# Allegro board GPS_INTERFACE_BOARDv34_test.brd
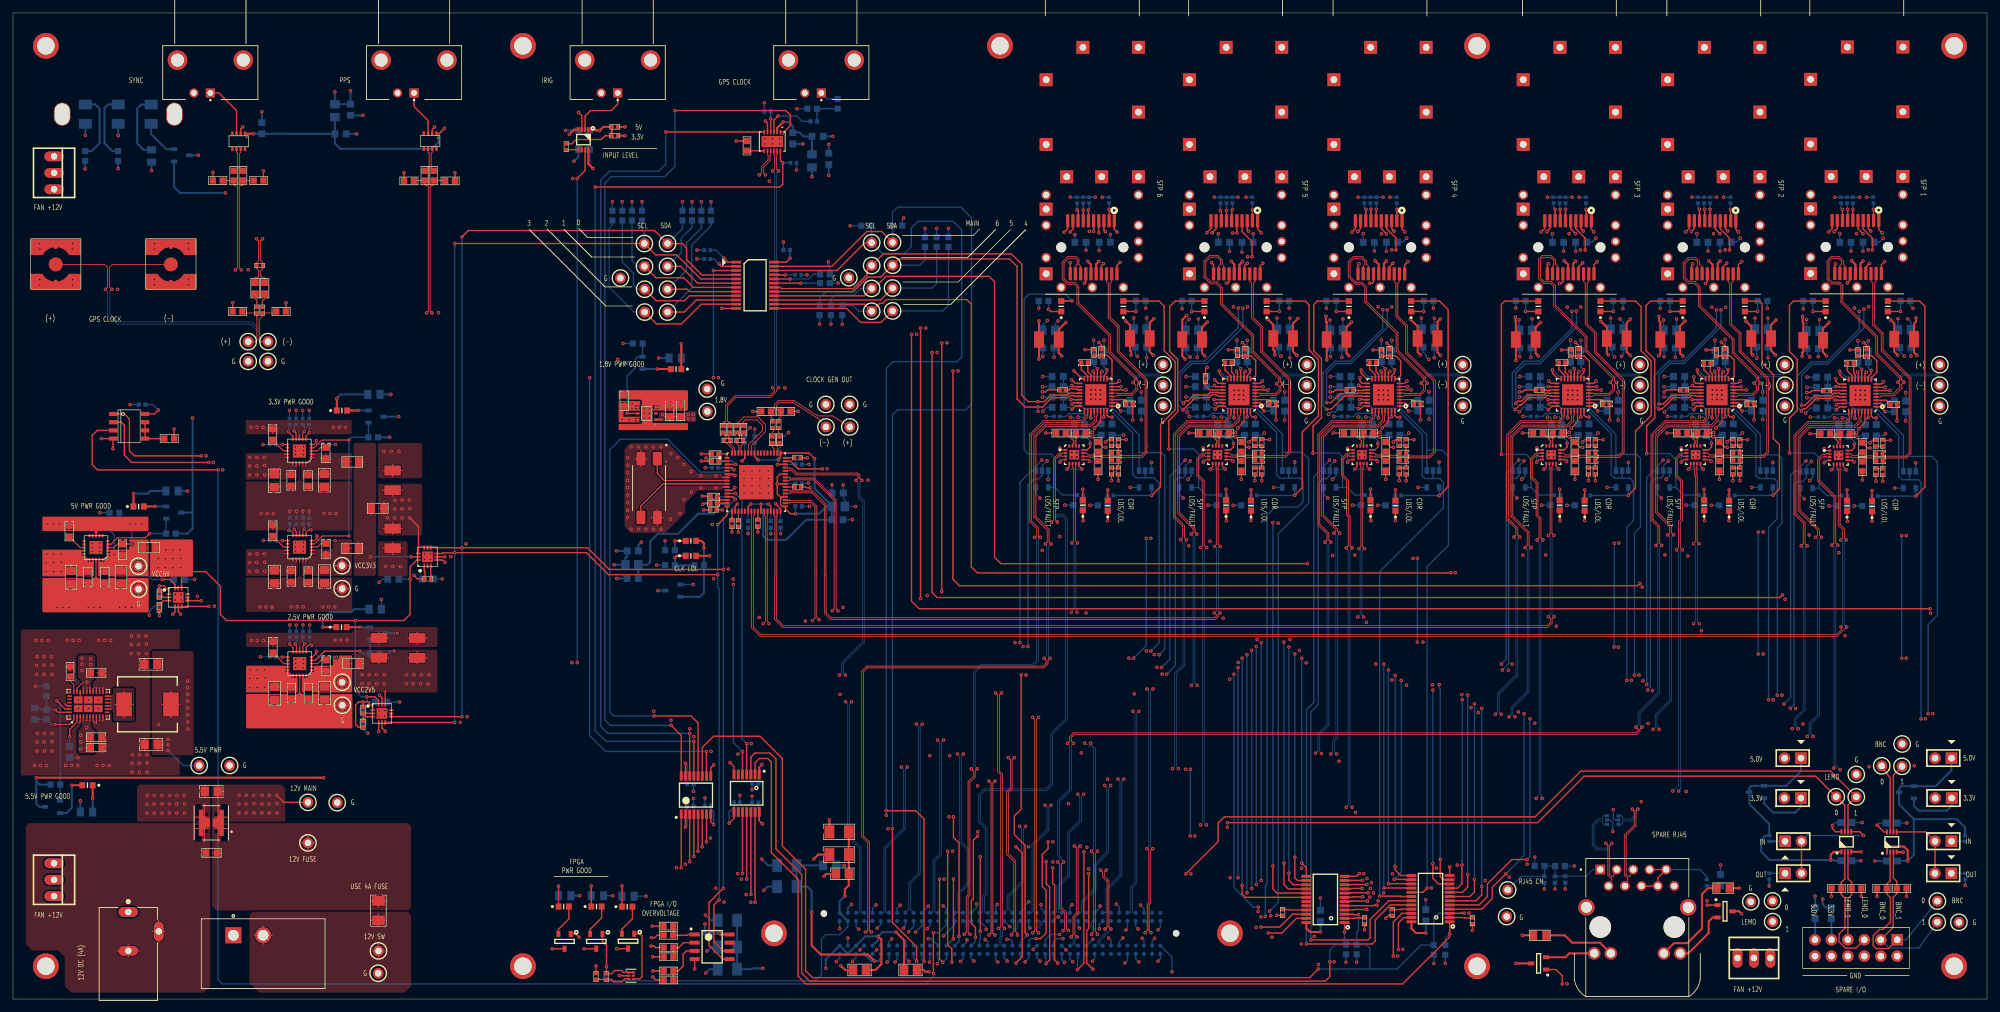
[diagram p0: board, top side]
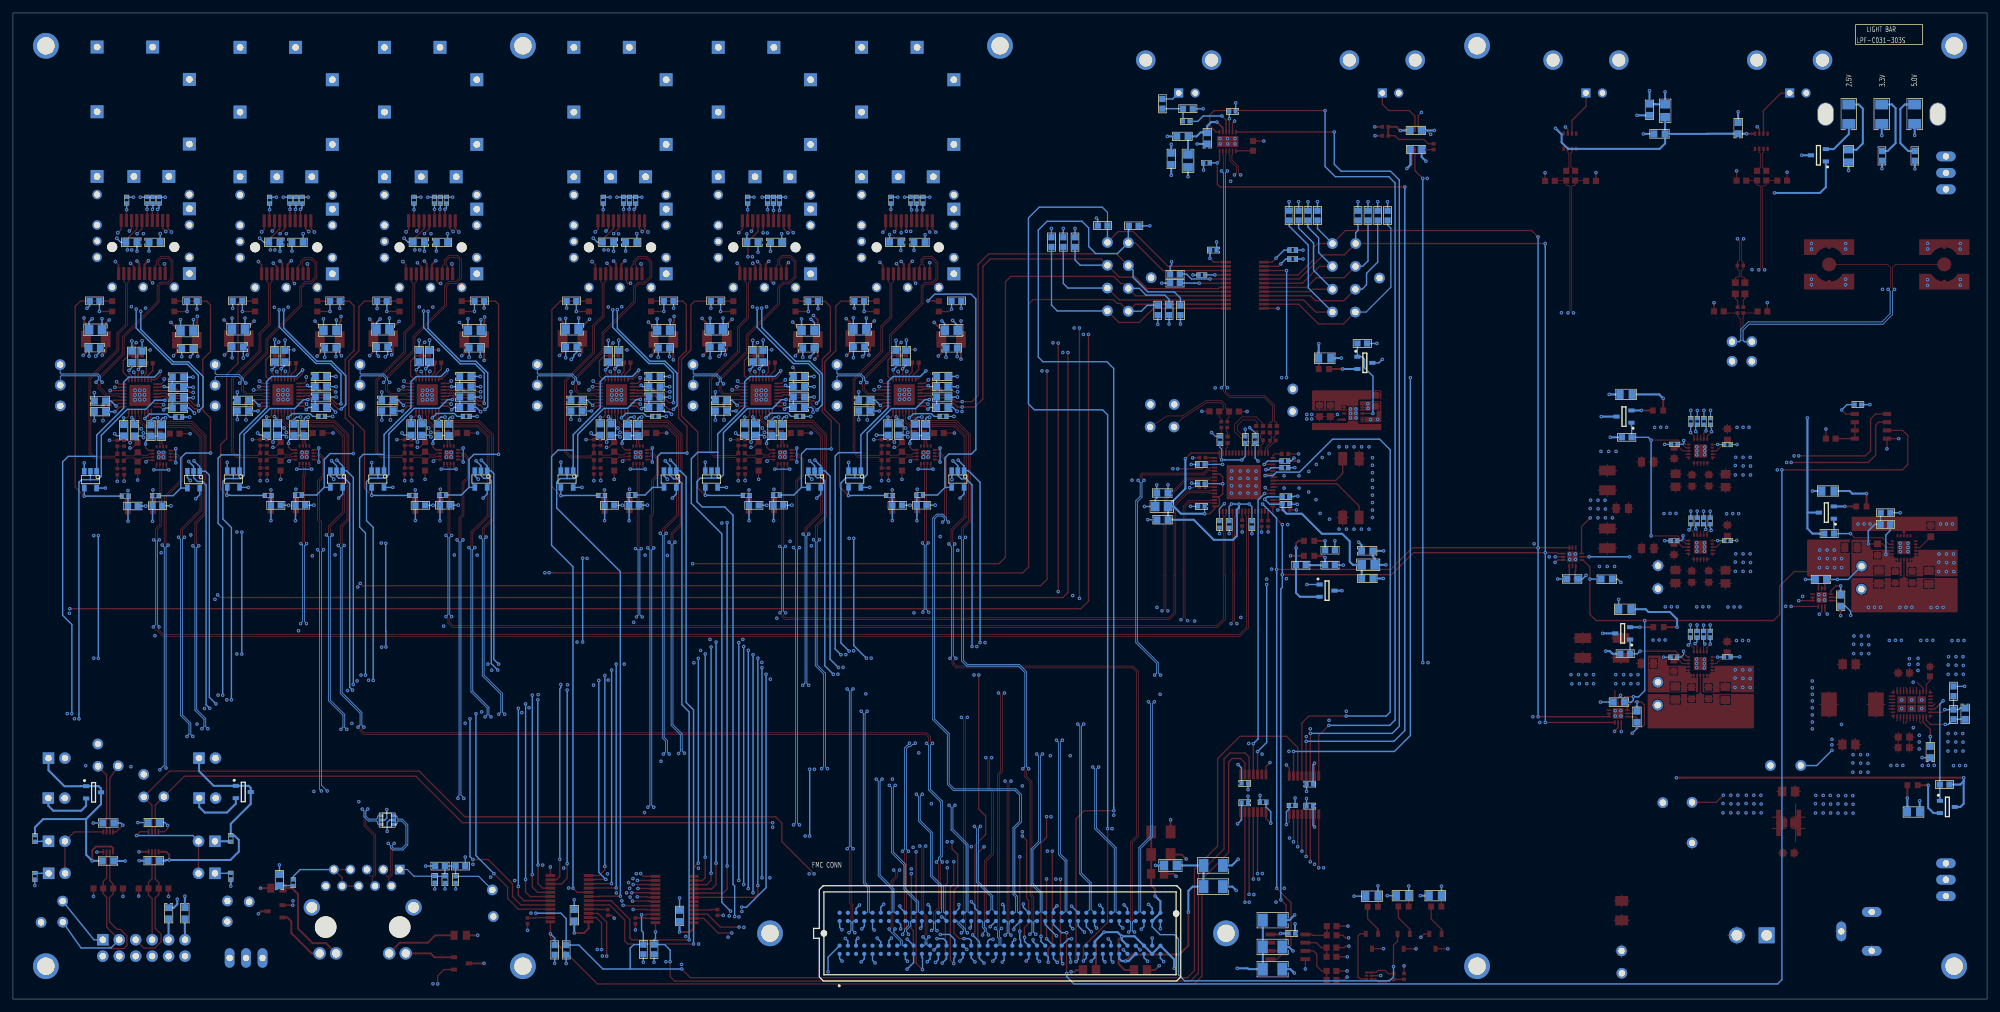
[diagram p1: board, bottom side, seen from below]

Outline 304.8 x 152.4 mm; copper layers: TOP, GND1, PWR1, GND2, SIG, PWR2, GND3, BOTTOM. Coordinates in mm from the lower left corner of the outline.
Outline path: 0,152.4 304.8,152.4 304.8,0 0,0 0,152.4

## Design rules (mm)
constraint set DEFAULT: min track width 0.17, pair gap 0.3
net group CLK315_SCOPE: nets CLK312_SCOPE_N CLK312_SCOPE_P
net group CLK_FDBACK: nets CLK_FDBACK_N CLK_FDBACK_P
net group CLK_FDBACK_OUT: nets N91101 N91105
net group CLK_SCOPE_CAP: nets N180853 N180901
net group CLK_SCOPE_OUT: nets N179430 N179442
net group CLK_TO_SFP.CLK_TO_SFP0: nets CLK_TO_SFP.CLK_TO_SFP_N0 CLK_TO_SFP.CLK_TO_SFP_P0
net group CLK_TO_SFP.CLK_TO_SFP1: nets CLK_TO_SFP.CLK_TO_SFP_N1 CLK_TO_SFP.CLK_TO_SFP_P1
net group CLK_TO_SFP.CLK_TO_SFP2: nets CLK_TO_SFP.CLK_TO_SFP_N2 CLK_TO_SFP.CLK_TO_SFP_P2
net group CLK_TO_SFP.CLK_TO_SFP3: nets CLK_TO_SFP.CLK_TO_SFP_N3 CLK_TO_SFP.CLK_TO_SFP_P3
net group CLK_TO_SFP.CLK_TO_SFP4: nets CLK_TO_SFP.CLK_TO_SFP_N4 CLK_TO_SFP.CLK_TO_SFP_P4
net group CLK_TO_SFP.CLK_TO_SFP5: nets CLK_TO_SFP.CLK_TO_SFP_N5 CLK_TO_SFP.CLK_TO_SFP_P5
net group CML_SFP_TD_SFP INTERFACE_SFP1: nets CML_SFP_TD_N_SFP INTERFACE_SFP1 CML_SFP_TD_P_SFP INTERFACE_SFP1
net group CML_SFP_TD_SFP INTERFACE_SFP2: nets CML_SFP_TD_N_SFP INTERFACE_SFP2 CML_SFP_TD_P_SFP INTERFACE_SFP2
net group CML_SFP_TD_SFP INTERFACE_SFP3: nets CML_SFP_TD_N_SFP INTERFACE_SFP3 CML_SFP_TD_P_SFP INTERFACE_SFP3
net group CML_SFP_TD_SFP INTERFACE_SFP4: nets CML_SFP_TD_N_SFP INTERFACE_SFP4 CML_SFP_TD_P_SFP INTERFACE_SFP4
net group CML_SFP_TD_SFP INTERFACE_SFP5: nets CML_SFP_TD_N_SFP INTERFACE_SFP5 CML_SFP_TD_P_SFP INTERFACE_SFP5
net group CML_SFP_TD_SFP INTERFACE_SFP6: nets CML_SFP_TD_N_SFP INTERFACE_SFP6 CML_SFP_TD_P_SFP INTERFACE_SFP6
net group FMC.SPARE_RJ45_0: nets FMC.SPARE_RJ45_0_N FMC.SPARE_RJ45_0_P
net group FMC.SPARE_RJ45_1: nets FMC.SPARE_RJ45_1_N FMC.SPARE_RJ45_1_P
net group GPS_CLK10: nets GPS_CLK10_N GPS_CLK10_P
net group GPS_CLK_SCOPE: nets GPS_CLK_SCOPE_N GPS_CLK_SCOPE_P
net group GPS_CLK_SCOPE_0: nets N183488 N324301
net group GPS_GROUP.GPS_CLK: nets GPS_GROUP.GPS_CLK_N GPS_GROUP.GPS_CLK_P
net group PPS_OUT: nets PPS_OUT_N PPS_OUT_P
net group R_SFP INTERFACE_SFP1: nets R_N_SFP INTERFACE_SFP1 R_P_SFP INTERFACE_SFP1
net group R_SFP INTERFACE_SFP2: nets R_N_SFP INTERFACE_SFP2 R_P_SFP INTERFACE_SFP2
net group R_SFP INTERFACE_SFP3: nets R_N_SFP INTERFACE_SFP3 R_P_SFP INTERFACE_SFP3
net group R_SFP INTERFACE_SFP4: nets R_N_SFP INTERFACE_SFP4 R_P_SFP INTERFACE_SFP4
net group R_SFP INTERFACE_SFP5: nets R_N_SFP INTERFACE_SFP5 R_P_SFP INTERFACE_SFP5
net group R_SFP INTERFACE_SFP6: nets R_N_SFP INTERFACE_SFP6 R_P_SFP INTERFACE_SFP6
net group SFP_RD_SFP INTERFACE_SFP1: nets SFP_RD_N_SFP INTERFACE_SFP1 SFP_RD_P_SFP INTERFACE_SFP1
net group SFP_RD_SFP INTERFACE_SFP2: nets SFP_RD_N_SFP INTERFACE_SFP2 SFP_RD_P_SFP INTERFACE_SFP2
net group SFP_RD_SFP INTERFACE_SFP3: nets SFP_RD_N_SFP INTERFACE_SFP3 SFP_RD_P_SFP INTERFACE_SFP3
net group SFP_RD_SFP INTERFACE_SFP4: nets SFP_RD_N_SFP INTERFACE_SFP4 SFP_RD_P_SFP INTERFACE_SFP4
net group SFP_RD_SFP INTERFACE_SFP5: nets SFP_RD_N_SFP INTERFACE_SFP5 SFP_RD_P_SFP INTERFACE_SFP5
net group SFP_RD_SFP INTERFACE_SFP6: nets SFP_RD_N_SFP INTERFACE_SFP6 SFP_RD_P_SFP INTERFACE_SFP6
net group SFP_TD_SFP INTERFACE_SFP1: nets SFP_TD_N_SFP INTERFACE_SFP1 SFP_TD_P_SFP INTERFACE_SFP1
net group SFP_TD_SFP INTERFACE_SFP2: nets SFP_TD_N_SFP INTERFACE_SFP2 SFP_TD_P_SFP INTERFACE_SFP2
net group SFP_TD_SFP INTERFACE_SFP3: nets SFP_TD_N_SFP INTERFACE_SFP3 SFP_TD_P_SFP INTERFACE_SFP3
net group SFP_TD_SFP INTERFACE_SFP4: nets SFP_TD_N_SFP INTERFACE_SFP4 SFP_TD_P_SFP INTERFACE_SFP4
net group SFP_TD_SFP INTERFACE_SFP5: nets SFP_TD_N_SFP INTERFACE_SFP5 SFP_TD_P_SFP INTERFACE_SFP5
net group SFP_TD_SFP INTERFACE_SFP6: nets SFP_TD_N_SFP INTERFACE_SFP6 SFP_TD_P_SFP INTERFACE_SFP6
net group SYNC_OUT: nets SYNC_OUT_N SYNC_OUT_P
net group FMC[0..96]: nets FMC.CLK_FILTER_A FMC.CLK_FILTER_B FMC.CLK_GEN_INTR* FMC.CLK_GEN_LOL* FMC.CLK_GEN_RST* FMC.CLK_TO_FPGA_N FMC.CLK_TO_FPGA_P FMC.DATA_TO_FF_N0 FMC.DATA_TO_FF_N1 FMC.DATA_TO_FF_N2 FMC.DATA_TO_FF_N3 FMC.DATA_TO_FF_N4 FMC.DATA_TO_FF_N5 FMC.DATA_TO_FF_P0 FMC.DATA_TO_FF_P1 FMC.DATA_TO_FF_P2 FMC.DATA_TO_FF_P3 FMC.DATA_TO_FF_P4 FMC.DATA_TO_FF_P5 FMC.FPGA_CLK_FILTER_A FMC.FPGA_CLK_FILTER_B FMC.FPGA_CLK_GEN_INTR* FMC.FPGA_CLK_GEN_LOL* FMC.FPGA_CLK_GEN_RST* FMC.FPGA_GPS_CLK_EN* FMC.FPGA_I2C_EXT_INT0* FMC.FPGA_I2C_EXT_INT1* FMC.FPGA_I2C_EXT_RST* FMC.FPGA_I2C_SW_RST* FMC.FPGA_IO_VOLTAGE FMC.GPS_CLK_EN* FMC.GPS_IRIGB FMC.GPS_PPS_N FMC.GPS_PPS_P FMC.GPS_SYNC_OUT_N FMC.GPS_SYNC_OUT_P FMC.I2C_EXT_INT0* FMC.I2C_EXT_INT1* FMC.I2C_EXT_RST* FMC.PWR_GOOD FMC.RECOV_CLK_N0 FMC.RECOV_CLK_N1 FMC.RECOV_CLK_N2 FMC.RECOV_CLK_N3 FMC.RECOV_CLK_N4 FMC.RECOV_CLK_N5 FMC.RECOV_CLK_P0 FMC.RECOV_CLK_P1 FMC.RECOV_CLK_P2 FMC.RECOV_CLK_P3 FMC.RECOV_CLK_P4 FMC.RECOV_CLK_P5 FMC.RECOV_DATA_N0 FMC.RECOV_DATA_N1 FMC.RECOV_DATA_N2 FMC.RECOV_DATA_N3 FMC.RECOV_DATA_N4 FMC.RECOV_DATA_N5 FMC.RECOV_DATA_P0 FMC.RECOV_DATA_P1 FMC.RECOV_DATA_P2 FMC.RECOV_DATA_P3 FMC.RECOV_DATA_P4 FMC.RECOV_DATA_P5 FMC.SCL0 FMC.SCL1 FMC.SCL2 FMC.SCL3 FMC.SCL4 FMC.SCL5 FMC.SCL6 FMC.SCL_FPGA FMC.SDA0 FMC.SDA1 FMC.SDA2 FMC.SDA3 FMC.SDA4 FMC.SDA5 FMC.SDA6 FMC.SDA_FPGA FMC.SFP_TX_DISABLE0 FMC.SFP_TX_DISABLE1 FMC.SFP_TX_DISABLE2 FMC.SFP_TX_DISABLE3 FMC.SFP_TX_DISABLE4 FMC.SFP_TX_DISABLE5 FMC.SPARE_BNC_0 FMC.SPARE_BNC_1 FMC.SPARE_LEMO_0 FMC.SPARE_LEMO_1 FMC.SPARE_RJ45_LED_0 FMC.SPARE_RJ45_LED_1 FMC.TEMP_INTR*
nets with their own width: min track width 0.165; nets 12V_CONN 12V_FUSE 12V_SW A0_1 A0_2 A0_2V5 A0_3V3 A0_5V A0_BID A1_1 A1_2 A1_2V5 A1_5V A1_BID A2_BID BNC_DIR BNC_VCCA FB_2V5 FB_3V3_1 FB_3V3_2 FB_5V FB_5V5 FPGA_3V3 FPGA_12V GND_IN GND_POWER GPS_CLK_IN GPS_IRIGB_IN GPS_PPS_IN GPS_SYNC_IN INTVCC_2V5 INTVCC_3V3 INTVCC_5V LEMO_VCCA MOD_ABS_SFP INTERFACE_SFP1 MOD_ABS_SFP INTERFACE_SFP2 MOD_ABS_SFP INTERFACE_SFP3 MOD_ABS_SFP INTERFACE_SFP4 MOD_ABS_SFP INTERFACE_SFP5 MOD_ABS_SFP INTERFACE_SFP6 N00534 N00638 N01450_SFP INTERFACE_SFP1 N01450_SFP INTERFACE_SFP2 N01450_SFP INTERFACE_SFP3 N01450_SFP INTERFACE_SFP4 N01450_SFP INTERFACE_SFP5 N01450_SFP INTERFACE_SFP6 N01454_SFP INTERFACE_SFP1 N01454_SFP INTERFACE_SFP2 N01454_SFP INTERFACE_SFP3 N01454_SFP INTERFACE_SFP4 N01454_SFP INTERFACE_SFP5 N01454_SFP INTERFACE_SFP6 N01590 N04910_SFP INTERFACE_SFP1 N04910_SFP INTERFACE_SFP2 N04910_SFP INTERFACE_SFP3 N04910_SFP INTERFACE_SFP4 N04910_SFP INTERFACE_SFP5 N04910_SFP INTERFACE_SFP6 N04977_SFP INTERFACE_SFP1 N04977_SFP INTERFACE_SFP2 N04977_SFP INTERFACE_SFP3 N04977_SFP INTERFACE_SFP4 N04977_SFP INTERFACE_SFP5 N04977_SFP INTERFACE_SFP6 N89867 N89871 N89889 N89893 N90109 N90113 N90529 N107878 N127138 N136741_SFP INTERFACE_SFP1 N136741_SFP INTERFACE_SFP2 N136741_SFP INTERFACE_SFP3 N136741_SFP INTERFACE_SFP4 N136741_SFP INTERFACE_SFP5 N136741_SFP INTERFACE_SFP6 N140138 N141568_SFP INTERFACE_SFP1 N141568_SFP INTERFACE_SFP2 N141568_SFP INTERFACE_SFP3 N141568_SFP INTERFACE_SFP4 N141568_SFP INTERFACE_SFP5 N141568_SFP INTERFACE_SFP6 N146225 N169083 N169234 N183510 N183546 N185241 N199921 N210584_SFP INTERFACE_SFP1 N210584_SFP INTERFACE_SFP2 N210584_SFP INTERFACE_SFP3 N210584_SFP INTERFACE_SFP4 N210584_SFP INTERFACE_SFP5 N210584_SFP INTERFACE_SFP6 N222361_SFP INTERFACE_SFP1 N222361_SFP INTERFACE_SFP2 N222361_SFP INTERFACE_SFP3 N222361_SFP INTERFACE_SFP4 N222361_SFP INTERFACE_SFP5 N222361_SFP INTERFACE_SFP6 N222457_SFP INTERFACE_SFP1 N222457_SFP INTERFACE_SFP2 N222457_SFP INTERFACE_SFP3 N222457_SFP INTERFACE_SFP4 N222457_SFP INTERFACE_SFP5 N222457_SFP INTERFACE_SFP6 N222469_SFP INTERFACE_SFP1 N222469_SFP INTERFACE_SFP2 N222469_SFP INTERFACE_SFP3 N222469_SFP INTERFACE_SFP4 N222469_SFP INTERFACE_SFP5 N222469_SFP INTERFACE_SFP6 N224328 N224332 N224336 N224340 N224392 N224396 N224400 N224404 N224424 N224428 N224432 N224436 N224456 N224460 N224464 N224468 N224484 N224488 N224492 N224496 N245271 N245311 N245859 N245899 N246142 N246182 N266416 N266420 N267255 N267259 N280018 N280022 N326883 N326887 N326891 N326895 N334368 N334392 N339027 N339674 N339693 N350589 N350593 N352210 N352214 PG_2V5 PG_3V3 PG_5V PG_5V5 RS_SFP INTERFACE_SFP1 RS_SFP INTERFACE_SFP2 RS_SFP INTERFACE_SFP3 RS_SFP INTERFACE_SFP4 RS_SFP INTERFACE_SFP5 RS_SFP INTERFACE_SFP6 RT_5V5 SPARE_BNC_CONN_0 SPARE_BNC_CONN_1 SPARE_LEMO_CONN_0 SPARE_LEMO_CONN_1 SPARE_RJ45_CM SQUELCH_SFP INTERFACE_SFP1 SQUELCH_SFP INTERFACE_SFP2 SQUELCH_SFP INTERFACE_SFP3 SQUELCH_SFP INTERFACE_SFP4 SQUELCH_SFP INTERFACE_SFP5 SQUELCH_SFP INTERFACE_SFP6 SS_3V3_1 SS_3V3_2 SS_5V THRADJ_SFP INTERFACE_SFP1 THRADJ_SFP INTERFACE_SFP2 THRADJ_SFP INTERFACE_SFP3 THRADJ_SFP INTERFACE_SFP4 THRADJ_SFP INTERFACE_SFP5 THRADJ_SFP INTERFACE_SFP6 VCC3V3 VCC3V3_LFILT VCC5V VCC5V_LFILT VCCR_SFP INTERFACE_SFP1 VCCR_SFP INTERFACE_SFP2 VCCR_SFP INTERFACE_SFP3 VCCR_SFP INTERFACE_SFP4 VCCR_SFP INTERFACE_SFP5 VCCR_SFP INTERFACE_SFP6 VCCT_SFP INTERFACE_SFP1 VCCT_SFP INTERFACE_SFP2 VCCT_SFP INTERFACE_SFP3 VCCT_SFP INTERFACE_SFP4 VCCT_SFP INTERFACE_SFP5 VCCT_SFP INTERFACE_SFP6 VDD_FILT VDDA_FILT VDDO8 VDDO_FILT VP2V5 VP3V3 VP5V VP5V5 VP12V VREF_SFP INTERFACE_SFP1 VREF_SFP INTERFACE_SFP2 VREF_SFP INTERFACE_SFP3 VREF_SFP INTERFACE_SFP4 VREF_SFP INTERFACE_SFP5 VREF_SFP INTERFACE_SFP6

## Placement (name value [footprint] x y rotation side)
C1  0.01UF  [CAP0402]  123.65 135.64 180 bottom
C2  0.1UF  [CAP0603]  37.39 109.86 270 top
C3  0.01UF  [CAP0402]  116.51 137.19 180 bottom
C4  0.1UF  [CAP0603]  38.86 109.86 270 top
C5  0.1UF  [CAP0603]  88.19 134.24 180 bottom
C6  0.1UF  [CAP0603]  88.16 131.29 180 bottom
C7  10UF  [CAP0603]  125.96 129.84 90 bottom
C8  0.1UF  [CAP0603]  120.4 133.02 270 bottom
C9  10UF  [CAP0603]  124.23 133.32 0 bottom
C10  10UF  [CAP0603]  52.12 137.44 90 bottom
C11  0.1UF  [CAP0603]  38.43 134.59 270 bottom
C12  10UF  [CAP0603]  50.57 133.71 180 bottom
C13  10UF  [CAP0603]  95.71 69.27 0 bottom
C14  0.1UF  [CAP0402]  108.25 76.45 0 bottom
C15  0.1UF  [CAP0402]  108.25 77.62 0 bottom
C16  10UF  [CAP0603]  95.68 65 180 bottom
C17  1UF  [CAP0603]  8.76 38.18 270 bottom
C18  0.1UF  [CAP0402]  121.34 82.63 180 bottom
C19  0.1UF  [CAP0402]  118.52 73.36 90 bottom
C20  0.1UF  [CAP0402]  113 86.46 270 bottom
C21  10UF  [CAP0603]  101.4 90.91 90 top
C22  10UF  [CAP0603]  127.33 78.21 180 bottom
C23  0.1UF  [CAP0402]  118.44 86.46 270 bottom
C24  0.1UF  [CAP0402]  121.31 76.15 180 bottom
C25  0.1UF  [CAP0402]  117.02 73.36 90 bottom
C26  0.1UF  [CAP0402]  121.31 79.65 180 bottom
C27  0.1UF  [CAP0402]  113.51 73.36 90 bottom
C28  0.1UF  [CAP0402]  114.53 86.46 270 bottom
C29  10UF  [CAP0603]  127.3 74.07 0 bottom
C30  0.1UF  [CAP0402]  108.41 84.25 0 top
C31  0.1UF  [CAP0402]  108.41 83.13 0 top
C32  0.1UF  [CAP0402]  108.2 77.72 0 top
C33  0.1UF  [CAP0402]  108.18 76.63 0 top
C34  0.1UF  [CAP0402]  117.25 86.44 90 top
C35  0.1UF  [CAP0402]  118.36 86.44 90 top
C36  0.1UF  [CAP0402]  112.85 88.06 270 top
C37  0.1UF  [CAP0402]  111.79 88.06 270 top
C38  0.1UF  [CAP0402]  110.72 88.06 270 top
C39  0.1UF  [CAP0402]  109.65 88.06 270 top
C40  10UF  [CAP0805]  30.63 32.08 180 top
C41  1UF  [CAP0603]  30.66 22.58 180 top
C42  1UF  [CAP0603]  12.85 38.86 0 top
C43  0.47UF  [CAP0603]  12.85 50.39 0 top
C44  0.47UF  [CAP0603]  12.83 40.49 0 top
C45  0.1UF  [CAP0603]  290.12 21.34 180 bottom
C49  47UF  [CAP0805]  21.29 51.74 180 top
C50  47UF  [CAP0805]  21.34 39.34 180 top
C51  5.0PF  [CAP0603]  3.38 44.09 90 bottom
C52  47UF  [CAP0805]  8.97 65.18 270 top
C53  0.1UF  [CAP0603]  11.56 65.23 270 top
C54  0.1UF  [CAP0603]  14.17 65.2 270 top
C55  47UF  [CAP0805]  16.69 65.23 270 top
C56  0.1UF  [CAP0603]  16.92 69.47 90 top
C57  0.01UF  [CAP0603]  8.69 72.31 90 top
C58  0.1UF  [CAP0603]  25.65 64.85 180 bottom
C59  0.1UF  [CAP0603]  22.61 61.57 270 bottom
C60  0.1UF  [CAP0603]  42.98 65.3 270 top
C61  47UF  [CAP0805]  40.39 65.25 270 top
C62  0.1UF  [CAP0603]  45.59 65.28 270 top
C63  47UF  [CAP0805]  48.11 65.3 270 top
C64  0.1UF  [CAP0603]  48.34 69.55 90 top
C65  0.01UF  [CAP0603]  40.11 72.39 90 top
C66  100UF  [CAP1210]  58.62 71.2 270 top
C67  100UF  [CAP1210]  58.62 80.16 90 top
C69  0.1UF  [CAP0603]  58.72 64.9 0 bottom
C70  47UF  [CAP0805]  40.36 80.11 270 top
C71  0.1UF  [CAP0603]  42.95 80.16 270 top
C72  0.1UF  [CAP0603]  45.57 80.14 270 top
C73  47UF  [CAP0805]  48.08 80.16 270 top
C74  0.1UF  [CAP0603]  64.06 64.92 0 bottom
C75  0.1UF  [CAP0603]  48.31 84.4 90 top
C76  0.01UF  [CAP0603]  40.08 87.25 90 top
C77  47UF  [CAP0805]  40.41 47.24 270 top
C78  0.1UF  [CAP0603]  43 47.29 270 top
C79  0.1UF  [CAP0603]  45.62 47.27 270 top
C80  47UF  [CAP0805]  48.13 47.29 270 top
C81  100UF  [CAP1210]  62.41 54.25 90 top
C82  100UF  [CAP1210]  56.52 54.28 90 top
C83  0.1UF  [CAP0603]  48.36 51.54 90 top
C84  0.1UF  [CAP0603]  56.85 45.9 180 bottom
C85  0.01UF  [CAP0603]  40.13 54.38 90 top
C86  0.1UF  [CAP0603]  54.05 43.64 270 bottom
C97  0.1UF  [CAP0805]  126.09 20.65 0 bottom
C98  47UF  [CAP1206]  119.48 17.37 180 bottom
C99  47UF  [CAP1206]  119.48 20.65 180 bottom
C100  0.1UF  [CAP0805]  138.58 4.5 0 top
C101  0.1UF  [CAP0805]  130.71 4.5 180 top
C102  47UF  [CAP1206]  110.31 12.19 180 bottom
C103  47UF  [CAP1206]  110.31 4.62 180 bottom
C104  47UF  [CAP1206]  110.31 8.05 180 bottom
C105  0.1UF  [CAP0805]  128.07 19.35 180 top
C106  47UF  [CAP1206]  127.56 25.83 180 top
C107  47UF  [CAP1206]  127.56 22.33 180 top
C108  0.1UF  [CAP0402]  107.34 10.13 180 bottom
C109  0.1UF  [CAP0402]  114.6 33.32 0 bottom
C110  0.1UF  [CAP0402]  104.57 29.82 180 bottom
C111  0.1UF  [CAP0402]  114.6 30.33 180 bottom
C112  0.1UF  [CAP0402]  104.57 33.22 0 bottom
C113  0.1UF  [CAP0402]  119.46 115.75 180 bottom
C114  0.1UF  [CAP0603]  283.08 21.39 0 bottom
C115  0.1UF  [CAP0603]  290.07 27.2 0 bottom
C116  0.1UF  [CAP0603]  278.26 13.26 90 bottom
C117  0.1UF  [CAP0603]  280.77 13.26 90 bottom
C119  0.1UF  [CAP0603]  283.06 27.28 0 bottom
C123  0.1UF  [CAP0603]  263.65 18.39 270 bottom
C127  4.7UF  [CAP0402]  238.1 18.47 270 bottom
C128  0.1UF  [CAP0402]  239.67 18.49 270 bottom
C129  0.1UF  [CAP0402]  236.45 18.47 270 bottom
C132  0.1UF  [CAP0603]  292.18 100.66 180 bottom
C133  0.1UF  [CAP0603]  277.88 100.53 0 bottom
C134  22UF  [CAP0805]  277.93 103.25 0 bottom
C135  0.1UF  [CAP0603]  282.93 116.94 0 bottom
C136  0.1UF  [CAP0603]  286.51 116.97 180 bottom
C137  22UF  [CAP0805]  292.05 103.43 180 bottom
C138  0.1UF  [CAP0603]  281.89 87.86 90 bottom
C139  1000PF  [CAP0603]  283.49 87.86 90 bottom
C140  0.1UF  [CAP0402]  288.19 84.28 0 top
C141  0.1UF  [CAP0402]  288.19 83.19 0 top
C142  0.1UF  [CAP0603]  286.03 87.91 90 bottom
C143  0.1UF  [CAP0603]  291.36 90.78 180 bottom
C144  0.1UF  [CAP0603]  279.32 96.11 0 bottom
C145  0.1UF  [CAP0603]  286.46 99.26 270 bottom
C146  0.1UF  [CAP0603]  279.32 92.94 0 bottom
C147  1000PF  [CAP0603]  279.32 94.54 180 bottom
C148  1000PF  [CAP0603]  287.71 87.91 270 bottom
C149  1000PF  [CAP0603]  284.86 99.26 90 bottom
C150  1000PF  [CAP0603]  279.32 91.34 180 bottom
C151  1000PF  [CAP0603]  291.36 92.43 0 bottom
C152  0.47UF  [CAP0402]  283.72 98.27 180 top
C153  0.1UF  [CAP0402]  286.21 99.92 270 top
C154  0.1UF  [CAP0402]  290.4 91.87 0 top
C155  0.1UF  [CAP0603]  255.8 100.63 0 bottom
C156  0.1UF  [CAP0603]  270.1 100.76 180 bottom
C157  22UF  [CAP0805]  255.85 103.35 0 bottom
C158  0.1UF  [CAP0603]  260.86 116.94 0 bottom
C159  0.1UF  [CAP0603]  264.44 116.97 180 bottom
C160  22UF  [CAP0805]  269.98 103.53 180 bottom
C161  0.1UF  [CAP0603]  259.82 87.96 90 bottom
C162  1000PF  [CAP0603]  261.42 87.96 90 bottom
C163  0.1UF  [CAP0402]  266.12 84.38 0 top
C164  0.1UF  [CAP0402]  266.12 83.29 0 top
C165  0.1UF  [CAP0603]  263.96 88.01 90 bottom
C166  0.1UF  [CAP0603]  264.39 99.36 270 bottom
C167  0.1UF  [CAP0603]  269.29 90.88 180 bottom
C168  0.1UF  [CAP0603]  257.25 93.04 0 bottom
C169  0.1UF  [CAP0603]  257.25 96.22 0 bottom
C170  1000PF  [CAP0603]  262.79 99.36 90 bottom
C171  1000PF  [CAP0603]  257.25 91.44 180 bottom
C172  1000PF  [CAP0603]  269.29 92.53 0 bottom
C173  1000PF  [CAP0603]  265.63 88.01 270 bottom
C174  1000PF  [CAP0603]  257.25 94.64 180 bottom
C175  0.47UF  [CAP0402]  261.59 98.27 180 top
C176  0.1UF  [CAP0402]  264.34 99.92 270 top
C177  0.1UF  [CAP0402]  268.33 91.97 0 top
C178  0.1UF  [CAP0603]  233.5 100.63 0 bottom
C179  0.1UF  [CAP0603]  247.8 100.76 180 bottom
C180  22UF  [CAP0805]  233.55 103.35 0 bottom
C181  0.1UF  [CAP0603]  238.56 116.94 0 bottom
C182  0.1UF  [CAP0603]  242.14 116.97 180 bottom
C183  22UF  [CAP0805]  247.68 103.53 180 bottom
C184  0.1UF  [CAP0603]  237.52 87.96 90 bottom
C185  1000PF  [CAP0603]  239.12 87.96 90 bottom
C186  0.1UF  [CAP0402]  243.81 84.38 0 top
C187  0.1UF  [CAP0402]  243.81 83.29 0 top
C188  0.1UF  [CAP0603]  242.09 99.36 270 bottom
C189  0.1UF  [CAP0603]  234.95 96.22 0 bottom
C190  0.1UF  [CAP0603]  234.95 93.04 0 bottom
C191  0.1UF  [CAP0603]  241.66 88.01 90 bottom
C192  0.1UF  [CAP0603]  246.99 90.88 180 bottom
C193  1000PF  [CAP0603]  240.49 99.36 90 bottom
C194  1000PF  [CAP0603]  234.95 94.64 180 bottom
C195  1000PF  [CAP0603]  234.95 91.44 180 bottom
C196  1000PF  [CAP0603]  243.33 88.01 270 bottom
C197  1000PF  [CAP0603]  246.99 92.53 0 bottom
C198  0.47UF  [CAP0402]  239.17 98.35 180 top
C199  0.1UF  [CAP0402]  241.76 99.92 270 top
C200  0.1UF  [CAP0402]  246.02 91.97 0 top
C201  0.1UF  [CAP0603]  218.59 100.76 180 bottom
C202  0.1UF  [CAP0603]  204.29 100.63 0 bottom
C203  22UF  [CAP0805]  204.34 103.35 0 bottom
C204  0.1UF  [CAP0603]  209.35 116.94 0 bottom
C205  0.1UF  [CAP0603]  212.93 116.97 180 bottom
C206  22UF  [CAP0805]  218.47 103.53 180 bottom
C207  0.1UF  [CAP0603]  208.31 87.96 90 bottom
C208  1000PF  [CAP0603]  209.91 87.96 90 bottom
C209  0.1UF  [CAP0402]  214.6 84.38 0 top
C210  0.1UF  [CAP0402]  214.6 83.29 0 top
C211  0.1UF  [CAP0603]  212.45 88.01 90 bottom
C212  0.1UF  [CAP0603]  205.74 93.04 0 bottom
C213  0.1UF  [CAP0603]  205.74 96.22 0 bottom
C214  0.1UF  [CAP0603]  212.88 99.36 270 bottom
C215  0.1UF  [CAP0603]  217.78 90.88 180 bottom
C216  1000PF  [CAP0603]  205.74 91.44 180 bottom
C217  1000PF  [CAP0603]  214.12 88.01 270 bottom
C218  1000PF  [CAP0603]  211.28 99.36 90 bottom
C219  1000PF  [CAP0603]  205.74 94.64 180 bottom
C220  1000PF  [CAP0603]  217.78 92.53 0 bottom
C221  0.47UF  [CAP0402]  209.96 98.35 180 top
C222  0.1UF  [CAP0402]  212.57 99.92 270 top
C223  0.1UF  [CAP0402]  216.81 91.97 0 top
C224  0.1UF  [CAP0603]  181.99 100.63 0 bottom
C225  0.1UF  [CAP0603]  196.29 100.76 180 bottom
C226  22UF  [CAP0805]  182.04 103.35 0 bottom
C227  0.1UF  [CAP0603]  186.97 116.94 0 bottom
C228  0.1UF  [CAP0603]  190.63 116.94 180 bottom
C229  22UF  [CAP0805]  196.16 103.53 180 bottom
C230  0.1UF  [CAP0603]  186 87.96 90 bottom
C231  1000PF  [CAP0603]  187.6 87.96 90 bottom
C232  0.1UF  [CAP0402]  192.3 84.38 0 top
C233  0.1UF  [CAP0402]  192.3 83.29 0 top
C234  0.1UF  [CAP0603]  183.44 96.22 0 bottom
C235  0.1UF  [CAP0603]  190.58 99.36 270 bottom
C236  0.1UF  [CAP0603]  195.48 90.88 180 bottom
C237  0.1UF  [CAP0603]  190.14 88.01 90 bottom
C238  0.1UF  [CAP0603]  183.44 93.04 0 bottom
C239  1000PF  [CAP0603]  183.44 91.44 180 bottom
C240  1000PF  [CAP0603]  191.82 88.01 270 bottom
C241  1000PF  [CAP0603]  195.48 92.53 0 bottom
C242  1000PF  [CAP0603]  188.98 99.36 90 bottom
C243  1000PF  [CAP0603]  183.44 94.64 180 bottom
C244  0.47UF  [CAP0402]  187.66 98.35 180 top
C245  0.1UF  [CAP0402]  190.25 99.92 270 top
C246  0.1UF  [CAP0402]  194.51 91.97 0 top
C247  0.1UF  [CAP0603]  159.87 100.63 0 bottom
C248  0.1UF  [CAP0603]  174.17 100.76 180 bottom
C249  22UF  [CAP0805]  159.92 103.35 0 bottom
C250  0.1UF  [CAP0603]  164.82 116.94 0 bottom
C251  0.1UF  [CAP0603]  168.58 116.97 180 bottom
C252  22UF  [CAP0805]  174.04 103.53 180 bottom
C253  0.1UF  [CAP0603]  163.88 87.96 90 bottom
C254  1000PF  [CAP0603]  165.48 87.96 90 bottom
C255  0.1UF  [CAP0402]  170.18 84.38 0 top
C256  0.1UF  [CAP0402]  170.18 83.29 0 top
C257  0.1UF  [CAP0603]  161.32 96.22 0 bottom
C258  0.1UF  [CAP0603]  168.02 88.01 90 bottom
C259  0.1UF  [CAP0603]  173.35 90.88 180 bottom
C260  0.1UF  [CAP0603]  161.32 93.04 0 bottom
C261  0.1UF  [CAP0603]  168.45 99.36 270 bottom
C262  1000PF  [CAP0603]  161.32 94.64 180 bottom
C263  1000PF  [CAP0603]  173.35 92.53 0 bottom
C264  1000PF  [CAP0603]  169.7 88.01 270 bottom
C265  1000PF  [CAP0603]  161.32 91.44 180 bottom
C266  1000PF  [CAP0603]  166.85 99.36 90 bottom
C267  0.47UF  [CAP0402]  165.46 98.35 180 top
C268  0.1UF  [CAP0402]  168.1 99.97 270 top
C269  0.1UF  [CAP0402]  172.39 91.97 0 top
C270  0.1UF  [CAP0603]  218.14 12.95 270 bottom
C271  0.1UF  [CAP0603]  201.88 12.85 270 bottom
C272  0.1UF  [CAP0402]  19.94 91.87 0 bottom
C274  4.7UF  [CAP0603]  94.39 92.46 90.3 top
C275  4.7UF  [CAP0603]  103.07 90.91 90 top
D1  RED  [LEDC1608X80N]  104.67 68.5 0 top
D2  GREEN  [LEDC1608X80N]  104.67 70.82 0 top
D4  GREEN  [LEDC1608X80N]  11.51 33.05 180 top
D5  GREEN  [LEDC1608X80N]  19.41 76.12 0 top
D6  GREEN  [LEDC1608X80N]  50.8 90.96 0 top
D7  GREEN  [LEDC1608X80N]  50.72 57.48 0 top
D8  GREEN  [LEDC1608X80N]  102.39 97.36 180 top